# KiCad board MelonLORD.kicad_pcb (continued)
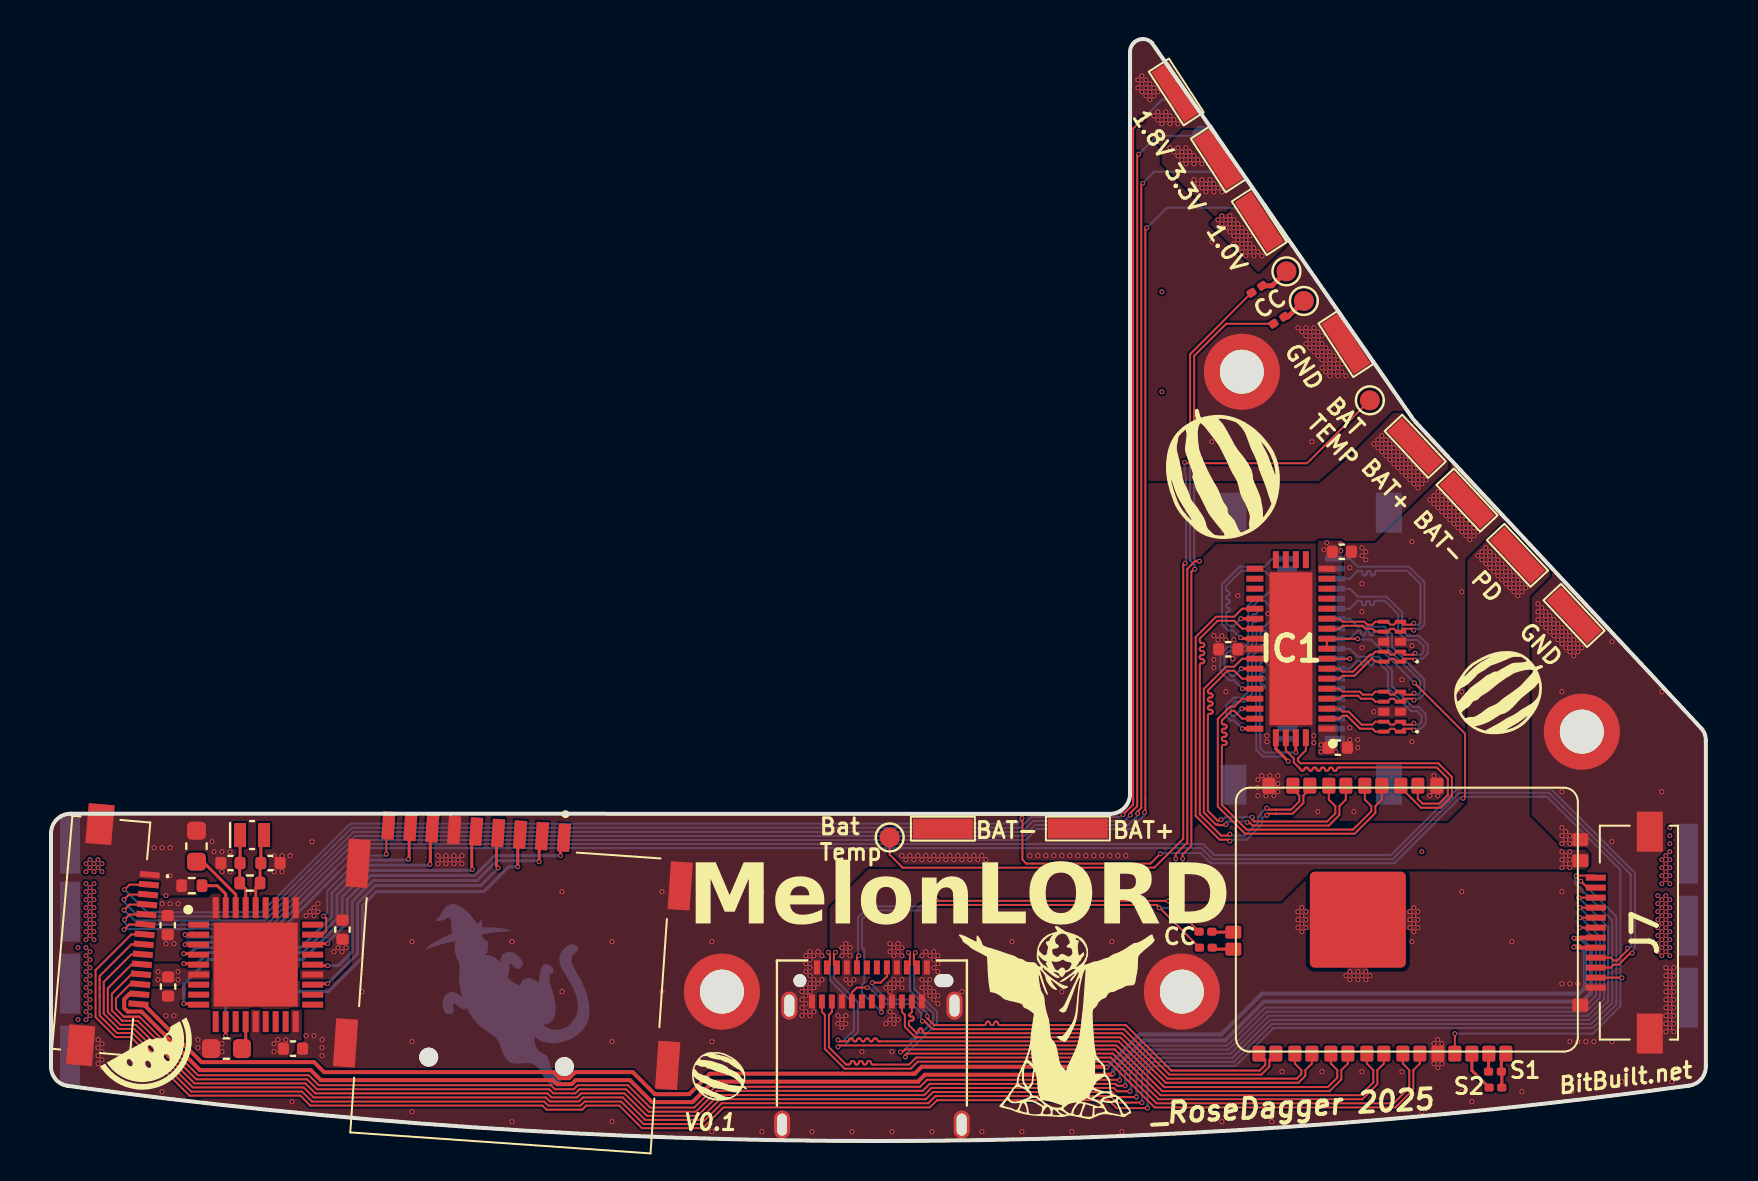
[diagram p0: board, top side]
## Routing (per net, layer and track width the routed paths; a pad name or vN(x,y) marks a point on that pad's centre or on a via; arc(x,y) is an arc through that point) (continued)
VBUS:
  vias: v1(39.35,6.27) v1(39.35,5.87) v1(39.55,9.67) v1(39.55,9.27) v1(39.55,6.07) v1(39.55,5.67) v1(39.75,9.87) v1(39.75,9.47) v1(39.75,8.07) v1(39.75,6.27) v1(39.75,5.87) v1(39.95,9.67) v1(39.95,9.27) v1(39.95,7.87) v1(40.15,8.07) v1(41.75,7.67) v1(41.75,5.87) v1(41.95,9.87) v1(41.95,9.47) v1(41.95,7.87) v1(41.95,7.47) v1(41.95,6.47) v1(41.95,6.07) v1(42.15,9.67) v1(42.15,9.27) v1(42.15,8.07) v1(42.15,7.67) v1(42.15,6.27) v1(42.15,5.87) v1(42.35,9.87) v1(42.35,9.47) v1(42.35,7.87) v1(42.35,6.07) v1(42.55,9.67) v1(42.55,9.27) v1(42.55,8.07) v1(42.55,7.67) v1(71.35,29.27) v1(71.55,29.47) v1(71.55,29.07) v1(71.75,29.67) v1(71.75,29.27) v1(71.75,28.87) v1(71.95,29.47) v1(71.95,29.07) v1(71.95,28.67) v1(72.15,29.27) v1(72.15,28.87) v1(72.15,28.47) v1(72.35,29.07) v1(72.35,28.67) v1(72.35,28.27) v1(72.55,28.87) v1(72.55,28.47) v1(72.55,28.07) v1(72.75,28.67) v1(72.75,28.27) v1(72.75,27.87) v1(72.95,28.47) v1(72.95,28.07) v1(72.95,27.67) v1(73.15,28.27) v1(73.15,27.87) v1(73.15,27.47) v1(73.35,28.07) v1(73.35,27.67) v1(73.35,27.27) v1(73.55,27.87) v1(73.55,27.47) v1(73.75,27.67) v1(75.55,14.47) v1(75.55,14.07) v1(75.55,13.67) v1(75.75,14.27) v1(75.75,13.87) v1(75.95,14.47) v1(75.95,14.07) v1(75.95,13.67)
+BATT:
  vias: v1(48.95,14.27) v1(49.35,14.27) v1(49.75,14.27) v1(50.15,14.27) v1(50.55,14.27) v1(50.95,14.27) v1(51.35,14.27) v1(51.75,14.27) v1(52.15,14.27) v1(52.55,14.27) v1(52.95,14.27) v1(53.35,14.27) v1(53.75,14.27) v1(66.15,34.87) v1(66.35,35.07) v1(66.35,34.67) v1(66.55,35.27) v1(66.55,34.87) v1(66.55,34.47) v1(66.75,35.07) v1(66.75,34.67) v1(66.75,34.27) v1(66.95,34.87) v1(66.95,34.87) v1(66.95,34.47) v1(66.95,34.07) v1(67.15,34.67) v1(67.15,34.27) v1(67.15,33.87) v1(67.35,34.47) v1(67.35,34.07) v1(67.35,33.67) v1(67.55,34.27) v1(67.55,33.87) v1(67.55,33.47) v1(67.75,34.07) v1(67.75,33.67) v1(67.75,33.27) v1(67.95,33.87) v1(67.95,33.47) v1(67.95,33.07) v1(68.15,33.67) v1(68.15,33.27) v1(68.15,32.87) v1(68.35,33.47) v1(68.35,33.07) v1(68.35,32.67) v1(68.55,33.27) v1(68.55,32.87) v1(68.75,33.07)
AUXDP+: length 24.3
  Top w0.102: v1(43.82,6.24) 43.82,6.14 44.17,5.8 46.67,5.8 arc(46.73,5.82) 46.75,5.88 46.75,5.89 arc(46.78,5.95) 46.83,5.97 46.87,5.97 arc(46.93,5.95) 46.95,5.89 46.95,5.88 arc(46.98,5.82) 47.04,5.8 47.08,5.8 arc(47.13,5.82) 47.16,5.88 47.16,5.89 arc(47.18,5.95) 47.24,5.97 47.28,5.97 arc(47.34,5.95) 47.36,5.89 47.36,5.88 arc(47.38,5.82) 47.44,5.8 53.75,5.8 56.02,3.53 60.44,3.53 60.72,3.81 60.72,4.07 60.4,4.39 U1.15 ; J1.A8 41.8,8.23 41.49,7.92 v1(41.07,7.92)
  Bottom w0.102: v1(41.07,7.92) 41.07,7.81 41.81,7.07 43.12,7.07 43.82,6.37 v1(43.82,6.24)
AUXDP-: length 24.5
  Top w0.102: U1.16 61.25,4.39 60.93,4.07 60.93,3.72 60.53,3.32 55.92,3.32 53.65,5.59 44.08,5.59 43.68,6 v1(43.58,6) ; v1(40.82,7.67) 40.29,7.67 40.05,7.43 J1.B8
  Bottom w0.102: v1(40.82,7.67) 40.92,7.67 41.73,6.87 43.04,6.87 43.5,6.4 43.5,6.07 v1(43.58,6)
BatTemp: length 45.9
  Top w0.102: TP15.1 41.94,14.32 42.59,13.67 55.17,13.67 56.62,15.12 56.62,28.8 v1(56.71,28.89) ; TP14.1 62.8,33.89 56.72,33.89 v1(56.68,33.94)
  Bottom w0.102: v1(56.68,33.94) 56.68,33.36 56.76,33.28 56.76,28.93 v1(56.71,28.89)
C_IN: length 89.6
  Top w0.102: J5.10 4.04,8.84 2.84,7.64 2.84,6.44 3.48,5.81 4.25,5.81 7.18,2.88 12.72,2.88 13.22,2.38 24.83,2.38 25.03,2.18 26.31,2.18 26.51,2.38 28.68,2.38 29.8,1.26 32.34,1.26 33.37,2.3 43.67,2.3 44.02,2.65 53.14,2.65 53.31,2.49 v1(53.95,2.49) ; v1(76.45,11.67) J7.9
  Bottom w0.102: v1(53.95,2.49) 53.95,2.61 53.99,2.65 53.99,2.88 53.95,2.92 53.95,3.44 54.88,4.37 58.98,4.37 60.88,6.26 76.84,6.26 77.65,7.07 77.65,7.09 77.66,7.1 77.66,7.12 77.66,7.12 77.66,7.26 77.66,7.26 77.66,10.46 v1(76.45,11.67)
CC1: length 54.2
  Top w0.102: J1.A5 40.3,9.18 v1(40.39,9.27) ; 55.29,11.81 R1.2 ; 55.29,11.81 43.92,11.81 v1(43.85,11.73) ; 55.29,11.81 55.41,11.69 v1(55.41,11.66) ; v1(57.2,28.59) 57.15,28.59 57.02,28.47 57.02,14.76 56.59,14.33 v1(56.59,14.12) ; R7.2 56.96,39.35 56.96,34.2 v1(56.98,34.17)
  Bottom w0.102: v1(40.39,9.27) 40.39,9.29 40.35,9.33 40.35,11.17 40.91,11.73 v1(43.85,11.73) ; v1(57.2,28.59) 57.2,28.79 56.96,29.03 56.96,34.15 v1(56.98,34.17) ; v1(56.59,14.12) 56.59,12.34 55.91,11.66 v1(55.41,11.66)
CC2: length 56.9
  Top w0.102: v1(57.33,34.23) 57.16,34.4 57.16,39.26 58.77,40.87 R8.2 ; v1(57.42,29) 57.21,29 56.82,28.61 56.82,14.93 56.24,14.35 v1(56.24,14.12) ; J1.B5 41.53,6.96 v1(41.53,6.44) ; R2.2 v1(55.87,12.01) 44.32,12.01 v1(44.25,12.08)
  Bottom w0.102: v1(41.53,6.44) 40.54,7.43 40.54,7.79 40.67,7.92 40.67,9.55 40.55,9.67 40.55,11.09 41,11.53 43.65,11.53 43.72,11.45 43.97,11.45 44.25,11.74 v1(44.25,12.08) ; v1(57.33,34.23) 57.33,34.15 57.26,34.08 57.26,34.06 57.16,33.96 57.16,29.12 57.29,29 v1(57.42,29) ; v1(56.24,14.12) 56.24,14.12 56.24,12.38 v1(55.87,12.01)
D0+: length 12.2
  Top w0.102: IC1.4 64.44,22.12 64.59,22.27 65.36,22.27 65.51,22.12 66.08,22.12 66.23,21.97 D1.7 66.83,21.97 66.98,22.12 67.15,22.12 67.3,21.97 D1.4 67.63,22.12 68.09,22.12 v1(68.16,22.04)
  Bottom w0.102: J2.7 64.95,26.12 65.35,25.72 66.67,25.72 67.05,25.34 67.05,24.71 68.68,23.09 68.68,22.36 68.43,22.12 68.24,22.12 v1(68.16,22.04)
D0-: length 12.2
  Top w0.102: IC1.5 64.44,22.62 64.59,22.47 65.45,22.47 65.6,22.32 66.08,22.32 66.23,22.47 D1.6 66.83,22.47 66.98,22.32 67.15,22.32 67.3,22.47 D1.5 67.63,22.32 68.09,22.32 v1(68.16,22.4)
  Bottom w0.102: J2.9 64.95,25.12 65.35,25.52 65.44,25.52 arc(65.49,25.49) 65.52,25.44 65.52,25.36 arc(65.54,25.3) 65.6,25.28 65.64,25.28 arc(65.7,25.3) 65.72,25.36 65.72,25.44 arc(65.75,25.49) 65.8,25.52 65.84,25.52 arc(65.9,25.49) 65.92,25.44 65.92,25.36 arc(65.95,25.3) 66.01,25.28 66.05,25.28 arc(66.1,25.3) 66.13,25.36 66.13,25.44 arc(66.15,25.49) 66.21,25.52 66.59,25.52 66.85,25.26 66.85,24.63 68.47,23 68.47,22.45 68.35,22.32 68.24,22.32 v1(68.16,22.4)
D0A+: length 8.6
  Top w0.152: IC1.38 v1(59.58,20.62)
  Bottom w0.102: J3.13 61.07,26.12 60.68,25.72 60.51,25.72 60.28,25.5 60.28,24.76 59.86,24.34 59.86,22.45 59.59,22.18 59.16,22.18 58.77,21.79 58.77,21.25 59,21.03 59.16,21.03 v1(59.58,20.62)
D0A-: length 8.6
  Top w0.152: IC1.36 v1(59.55,21.62)
  Bottom w0.102: J3.11 61.07,25.12 60.68,25.52 60.59,25.52 60.59,25.52 60.48,25.41 60.48,25.09 arc(60.51,25.03) 60.57,25.01 60.82,25.01 arc(60.87,24.98) 60.9,24.93 60.9,24.89 arc(60.87,24.83) 60.82,24.81 60.57,24.81 arc(60.51,24.78) 60.48,24.72 60.48,24.67 60.06,24.25 60.06,22.36 59.67,21.97 59.24,21.97 58.98,21.71 58.98,21.34 59.08,21.24 59.17,21.24 v1(59.55,21.62)
D0B+: length 16.9
  Top w0.102: IC1.37 59.56,21.12 59.16,21.52 59.04,21.52 58.55,21.03 58.55,20.91 arc(58.58,20.85) 58.63,20.82 58.71,20.82 arc(58.77,20.8) 58.79,20.74 58.79,20.7 arc(58.77,20.64) 58.71,20.62 58.63,20.62 arc(58.58,20.6) 58.55,20.54 58.55,20.5 arc(58.58,20.44) 58.63,20.42 58.71,20.42 arc(58.77,20.39) 58.79,20.34 58.79,20.3 arc(58.77,20.24) 58.71,20.21 58.63,20.21 arc(58.58,20.19) 58.55,20.13 58.55,20.09 arc(58.58,20.04) 58.63,20.01 58.71,20.01 arc(58.77,19.99) 58.79,19.93 58.79,19.89 arc(58.77,19.83) 58.71,19.81 58.63,19.81 arc(58.58,19.78) 58.55,19.73 58.55,16.81 59.79,15.57 65.11,15.57 66.02,16.49 66.02,16.75 65.7,17.07 U1.7
D0B-: length 16.9
  Top w0.102: IC1.35 59.56,22.12 59.16,21.72 58.96,21.72 58.35,21.11 58.35,16.73 59.71,15.37 65.19,15.37 66.23,16.4 66.23,16.75 66.55,17.07 U1.6
D1+: length 12.7
  Top w0.102: IC1.6 64.44,23.12 64.59,23.27 65.19,23.27 66.04,24.12 66.08,24.12 66.23,23.97 D2.10 66.83,23.97 66.98,24.12 67.15,24.12 67.3,23.97 D2.1 67.63,24.12 68.14,24.12 v1(68.21,24.04)
  Bottom w0.102: J2.4 64.95,27.62 65.35,27.22 66.78,27.22 67.57,26.43 67.57,25.53 67.84,25.26 68.41,25.26 68.84,24.83 68.84,24.37 68.59,24.12 68.28,24.12 v1(68.21,24.04)
D1-: length 12.7
  Top w0.102: IC1.7 64.44,23.62 64.59,23.47 65.11,23.47 65.96,24.32 66.08,24.32 66.23,24.47 D2.9 66.83,24.47 66.98,24.32 67.15,24.32 67.3,24.47 D2.2 67.63,24.32 68.14,24.32 v1(68.21,24.4)
  Bottom w0.102: v1(68.21,24.4) 68.28,24.32 68.51,24.32 68.64,24.45 68.64,24.75 68.33,25.06 67.76,25.06 67.37,25.45 67.37,26.35 66.7,27.02 66.25,27.02 arc(66.19,26.99) 66.17,26.94 66.17,26.86 arc(66.14,26.8) 66.09,26.78 66.05,26.78 arc(65.99,26.8) 65.96,26.86 65.96,26.94 arc(65.94,26.99) 65.88,27.02 65.84,27.02 arc(65.79,26.99) 65.76,26.94 65.76,26.86 arc(65.74,26.8) 65.68,26.78 65.64,26.78 arc(65.58,26.8) 65.56,26.86 65.56,26.94 arc(65.53,26.99) 65.48,27.02 65.35,27.02 64.95,26.62 J2.6
D1A+: length 8.8
  Top w0.152: IC1.34 v1(59.58,22.62)
  Bottom w0.102: v1(59.58,22.62) 59.15,23.04 58.9,23.04 58.47,23.47 58.47,24.34 58.85,24.72 59.67,24.72 59.87,24.93 59.87,26.79 60.31,27.22 60.68,27.22 61.07,27.62 J3.16
D1A-: length 8.7
  Top w0.152: IC1.32 v1(59.52,23.62)
  Bottom w0.102: J3.14 61.07,26.62 60.68,27.02 60.39,27.02 60.08,26.7 60.08,26.64 arc(60.1,26.59) 60.16,26.56 60.25,26.56 arc(60.31,26.54) 60.33,26.48 60.33,26.44 arc(60.31,26.38) 60.25,26.36 60.16,26.36 arc(60.1,26.33) 60.08,26.28 60.08,26.24 arc(60.1,26.18) 60.16,26.15 60.25,26.15 arc(60.31,26.13) 60.33,26.07 60.33,26.03 arc(60.31,25.98) 60.25,25.95 60.16,25.95 arc(60.1,25.93) 60.08,25.87 60.08,24.84 59.75,24.52 58.95,24.52 58.68,24.25 58.68,23.62 59.05,23.25 59.15,23.25 v1(59.52,23.62)
D1B+: length 18.3
  Top w0.102: v1(58.51,16.07) 58.46,16.03 58.34,16.03 57.85,16.51 57.85,21.29 arc(57.88,21.34) 57.93,21.37 58.01,21.37 arc(58.07,21.39) 58.09,21.45 58.09,21.49 arc(58.07,21.55) 58.01,21.57 57.93,21.57 arc(57.88,21.59) 57.85,21.65 57.85,21.69 arc(57.88,21.75) 57.93,21.77 58.01,21.77 arc(58.07,21.8) 58.09,21.85 58.09,21.9 arc(58.07,21.95) 58.01,21.98 57.93,21.98 arc(57.88,22) 57.85,22.06 57.85,22.1 arc(57.88,22.16) 57.93,22.18 58.01,22.18 arc(58.07,22.2) 58.09,22.26 58.09,22.3 arc(58.07,22.36) 58.01,22.38 57.93,22.38 arc(57.88,22.41) 57.85,22.46 57.85,22.53 58.84,23.52 59.16,23.52 59.56,23.12 IC1.33 ; U1.9 63.9,17.07 64.22,16.75 64.22,16.39 63.81,15.98 60.17,15.98 60.07,16.08 v1(60.07,16.19)
  Bottom w0.102: v1(60.07,16.19) 59.96,16.19 59.93,16.22 59.7,16.22 59.67,16.19 58.72,16.19 58.61,16.07 v1(58.51,16.07)
D1B-: length 18.3
  Top w0.102: U1.8 64.75,17.07 64.43,16.75 64.43,16.3 63.9,15.77 60.09,15.77 59.92,15.94 v1(59.82,15.94) ; v1(58.75,15.83) 58.65,15.83 58.62,15.8 58.39,15.8 58.36,15.83 58.25,15.83 57.65,16.43 57.65,22.61 58.76,23.72 59.16,23.72 59.56,24.12 IC1.31
  Bottom w0.102: v1(59.82,15.94) 59.77,15.98 58.81,15.98 58.75,15.93 v1(58.75,15.83)
D2+: length 12.5
  Top w0.102: IC1.11 64.44,25.62 64.59,25.77 65.59,25.77 65.74,25.62 66.08,25.62 66.23,25.47 D2.7 66.83,25.47 66.98,25.62 67.15,25.62 67.3,25.47 D2.4 67.63,25.62 68.07,25.62 v1(68.15,25.54)
  Bottom w0.102: J2.1 64.95,29.12 65.35,28.72 67.9,28.72 68.68,27.94 68.68,25.83 68.47,25.62 68.22,25.62 v1(68.15,25.54)
D2-: length 12.5
  Top w0.102: v1(68.15,25.9) 68.07,25.82 67.63,25.82 D2.5 67.3,25.97 67.15,25.82 66.98,25.82 66.83,25.97 D2.6 66.23,25.97 66.08,25.82 65.82,25.82 65.67,25.97 64.59,25.97 64.44,26.12 IC1.12
  Bottom w0.102: J2.3 64.95,28.12 65.35,28.52 65.5,28.52 arc(65.56,28.49) 65.59,28.44 65.59,28.36 arc(65.61,28.3) 65.67,28.28 65.71,28.28 arc(65.76,28.3) 65.79,28.36 65.79,28.44 arc(65.81,28.49) 65.87,28.52 65.91,28.52 arc(65.97,28.49) 65.99,28.44 65.99,28.36 arc(66.02,28.3) 66.07,28.28 66.11,28.28 arc(66.17,28.3) 66.19,28.36 66.19,28.44 arc(66.22,28.49) 66.28,28.52 67.82,28.52 68.48,27.86 68.48,25.91 68.39,25.82 68.22,25.82 v1(68.15,25.9)
D2A+: length 7.7
  Top w0.152: v1(59.48,25.18) 59.54,25.13 59.74,25.13 59.75,25.12 IC1.29
  Bottom w0.102: J3.19 61.07,29.12 60.68,28.72 59.44,28.72 58.56,27.84 58.56,25.83 58.86,25.53 59.11,25.53 59.33,25.32 59.33,25.32 59.47,25.18 v1(59.48,25.18)
D2A-: length 7.7
  Top w0.152: IC1.27 v1(59.5,26.12)
  Bottom w0.102: J3.17 61.07,28.12 60.68,28.52 59.52,28.52 58.76,27.76 58.76,27.57 arc(58.79,27.51) 58.85,27.49 58.87,27.49 arc(58.92,27.46) 58.95,27.4 58.95,27.36 arc(58.92,27.31) 58.87,27.28 58.85,27.28 arc(58.79,27.26) 58.76,27.2 58.76,27.16 arc(58.79,27.1) 58.85,27.08 58.87,27.08 arc(58.92,27.06) 58.95,27 58.95,26.96 arc(58.92,26.9) 58.87,26.88 58.85,26.88 arc(58.79,26.85) 58.76,26.79 58.76,26.75 arc(58.79,26.7) 58.85,26.67 58.87,26.67 arc(58.92,26.65) 58.95,26.59 58.95,26.55 arc(58.92,26.49) 58.87,26.47 58.85,26.47 arc(58.79,26.45) 58.76,26.39 58.76,25.92 58.95,25.74 59.12,25.74 v1(59.5,26.12)
D2B+: length 20.3
  Top w0.102: U1.11 62.1,17.59 62.42,17.27 62.42,16.99 62.01,16.57 60.87,16.57 v1(60.8,16.65) ; IC1.28 59.56,25.62 59.16,26.02 58.34,26.02 57.45,25.12 57.45,24.99 arc(57.47,24.93) 57.53,24.91 57.59,24.91 arc(57.65,24.88) 57.67,24.83 57.67,24.79 arc(57.65,24.73) 57.59,24.71 57.53,24.71 arc(57.47,24.68) 57.45,24.62 57.45,24.58 arc(57.47,24.53) 57.53,24.5 57.59,24.5 arc(57.65,24.48) 57.67,24.42 57.67,24.38 arc(57.65,24.32) 57.59,24.3 57.53,24.3 arc(57.47,24.28) 57.45,24.22 57.45,24.18 arc(57.47,24.12) 57.53,24.1 57.59,24.1 arc(57.65,24.07) 57.67,24.01 57.67,23.97 arc(57.65,23.92) 57.59,23.89 57.53,23.89 arc(57.47,23.87) 57.45,23.81 57.45,16.34 58.52,15.27 58.88,15.27 v1(58.95,15.35)
  Bottom w0.102: v1(60.8,16.65) 60.72,16.57 60.68,16.57 60.52,16.41 60.52,16.37 60.35,16.2 60.35,15.91 59.71,15.27 59.02,15.27 v1(58.95,15.35)
D2B-: length 20.3
  Top w0.102: v1(60.8,16.29) 60.87,16.37 62.09,16.37 62.63,16.9 62.63,17.27 62.95,17.59 U1.10 ; v1(58.95,14.99) 58.88,15.07 58.43,15.07 57.24,16.26 57.24,25.21 58.26,26.22 59.16,26.22 59.56,26.62 IC1.26
  Bottom w0.102: v1(60.8,16.29) 60.73,16.29 60.55,16.11 60.55,15.83 59.79,15.07 59.02,15.07 v1(58.95,14.99)
D_IN: length 86.3
  Top w0.102: 3.65,6.22 3.25,6.61 3.25,7.13 3.96,7.84 J5.12 ; 3.65,6.22 4.42,6.22 ; 3.65,6.22 4.42,6.22 ; v1(76.45,10.67) J7.7 ; 4.42,6.22 7.35,3.29 12.89,3.29 13.39,2.79 25,2.79 25.2,2.59 26.14,2.59 26.34,2.79 28.85,2.79 29.97,1.67 32.17,1.67 33.21,2.71 43.46,2.71 43.81,3.06 53.42,3.06 v1(53.44,3.04)
  Bottom w0.102: v1(53.44,3.04) 53.44,3.5 54.71,4.77 58.81,4.77 60.71,6.67 76.65,6.67 77.25,7.27 77.25,7.29 77.25,7.29 77.25,7.43 77.26,7.43 77.26,10.06 76.65,10.67 v1(76.45,10.67)
DCLK+: length 12.5
  Top w0.102: v1(68.15,20.54) 68.08,20.62 67.63,20.62 D1.1 67.3,20.47 67.15,20.62 66.98,20.62 66.83,20.47 D1.10 66.23,20.47 66.08,20.62 65.46,20.62 64.81,21.27 64.59,21.27 64.44,21.12 IC1.2
  Bottom w0.102: J2.10 64.95,24.62 65.35,24.22 66.39,24.22 67.06,23.55 67.06,22.74 68.11,21.7 68.4,21.7 68.74,21.35 68.74,20.87 68.49,20.62 68.23,20.62 v1(68.15,20.54)
DCLK-: length 12.5
  Top w0.102: v1(68.15,20.9) 68.08,20.82 67.63,20.82 D1.2 67.3,20.97 67.15,20.82 66.98,20.82 66.83,20.97 D1.9 66.23,20.97 66.08,20.82 65.54,20.82 64.89,21.47 64.59,21.47 64.44,21.62 IC1.3
  Bottom w0.102: v1(68.15,20.9) 68.23,20.82 68.41,20.82 68.54,20.95 68.54,21.27 68.31,21.49 68.02,21.49 66.86,22.66 66.86,23.47 66.31,24.02 66.2,24.02 arc(66.14,23.99) 66.12,23.94 66.12,23.86 arc(66.1,23.8) 66.04,23.78 66,23.78 arc(65.94,23.8) 65.92,23.86 65.92,23.94 arc(65.89,23.99) 65.84,24.02 65.8,24.02 arc(65.74,23.99) 65.71,23.94 65.71,23.86 arc(65.69,23.8) 65.63,23.78 65.59,23.78 arc(65.54,23.8) 65.51,23.86 65.51,23.94 arc(65.49,23.99) 65.43,24.02 65.35,24.02 64.95,23.62 J2.12
DCLKA+: length 9.4
  Top w0.152: v1(62.25,19.43) 62.25,19.43 IC1.41
  Bottom w0.102: J3.8 61.07,23.62 60.68,24.02 60.62,24.02 60.47,23.87 60.47,23.72 arc(60.49,23.67) 60.55,23.64 60.61,23.64 arc(60.67,23.62) 60.7,23.56 60.7,23.52 arc(60.67,23.46) 60.61,23.44 60.55,23.44 arc(60.49,23.41) 60.47,23.36 60.47,23.32 arc(60.49,23.26) 60.55,23.23 60.61,23.23 arc(60.67,23.21) 60.7,23.15 60.7,23.11 arc(60.67,23.06) 60.61,23.03 60.55,23.03 arc(60.49,23.01) 60.47,22.95 60.47,22.91 arc(60.49,22.85) 60.55,22.83 60.61,22.83 arc(60.67,22.8) 60.7,22.75 60.7,22.71 arc(60.67,22.65) 60.61,22.63 60.55,22.63 arc(60.49,22.6) 60.47,22.54 60.47,20.13 60.47,20.13 60.47,19.64 60.68,19.43 61.72,19.43 61.72,19.43 v1(62.25,19.43)
DCLKA-: length 9.5
  Top w0.152: IC1.39 61.25,19.61 v1(61.87,18.99)
  Bottom w0.102: J3.10 61.07,24.62 60.68,24.22 60.53,24.22 60.27,23.96 60.27,19.55 60.6,19.22 61.64,19.22 v1(61.87,18.99)
DCLKB+: length 13.5
  Top w0.102: IC1.42 62.75,19.53 62.35,19.13 62.35,19.01 62.47,18.89 69.37,18.89 70.05,18.21 70.05,17.23 69.49,16.67 68.5,16.67 U1.5
DCLKB-: length 13.5
  Top w0.102: U1.4 68.35,17.11 68.59,16.87 69.41,16.87 69.85,17.31 69.85,18.13 69.3,18.68 64.39,18.68 arc(64.33,18.66) 64.31,18.6 arc(64.28,18.54) 64.23,18.52 64.18,18.52 arc(64.13,18.54) 64.1,18.6 arc(64.08,18.66) 64.02,18.68 63.98,18.68 arc(63.92,18.66) 63.9,18.6 arc(63.88,18.54) 63.82,18.52 63.78,18.52 arc(63.72,18.54) 63.7,18.6 arc(63.67,18.66) 63.62,18.68 63.57,18.68 arc(63.52,18.66) 63.49,18.6 arc(63.47,18.54) 63.41,18.52 63.37,18.52 arc(63.31,18.54) 63.29,18.6 arc(63.27,18.66) 63.21,18.68 63.17,18.68 arc(63.11,18.66) 63.09,18.6 arc(63.06,18.54) 63.01,18.52 62.97,18.52 arc(62.91,18.54) 62.88,18.6 arc(62.86,18.66) 62.8,18.68 62.76,18.68 arc(62.7,18.66) 62.68,18.6 arc(62.66,18.54) 62.6,18.52 62.56,18.52 arc(62.5,18.54) 62.48,18.6 arc(62.45,18.66) 62.4,18.68 62.15,18.93 62.15,19.13 61.75,19.53 IC1.40
HPD: length 115.5
  Top w0.102: J5.2 3.93,12.82 v1(3.67,12.57) ; v1(70.2,5.37) U1.26 70.21,4.46 ; J7.2 78.54,8.17 v1(78.55,8.16) ; v1(55.48,14.37) 54.98,13.87 48.77,13.87 48.58,14.07 48.58,16.11 v1(48.55,16.14) ; v1(70.61,17.14) 70.71,17.25 70.71,20.37 v1(68.18,22.9) ; IC1.9 IC1.10 65.33,25.12 v1(65.34,25.12)
  Bottom w0.102: v1(70.2,5.37) 77.11,5.37 78.47,6.73 78.47,6.75 78.48,6.76 78.48,6.78 78.48,6.79 78.48,6.92 78.48,6.93 78.48,8.09 v1(78.55,8.16) 78.48,8.23 78.48,13.55 74.82,17.21 ; 74.4,17.21 74.46,17.21 ; 74.4,17.21 74.78,17.21 ; 74.4,17.21 70.68,17.21 v1(70.61,17.14) 70.58,17.17 70.46,17.17 67.18,13.89 58,13.89 57.49,14.4 55.51,14.4 v1(55.48,14.37) ; 74.46,17.21 74.52,17.21 ; 74.46,17.21 74.82,17.21 ; 74.82,17.21 74.52,17.21 ; 74.52,17.21 74.62,17.21 ; v1(68.18,22.9) 66.01,25.07 65.38,25.07 v1(65.34,25.12) ; v1(3.67,12.57) 4.81,11.44 10.53,11.44 14.97,15.87 48.33,15.87 48.55,16.1 v1(48.55,16.14)
M_IN: length 91.8
  Top w0.102: v1(54.28,2.2) 53.31,2.2 53.06,2.45 44.11,2.45 43.75,2.09 33.45,2.09 32.42,1.06 29.71,1.06 28.59,2.18 26.6,2.18 26.39,1.98 24.95,1.98 24.75,2.18 13.13,2.18 12.64,2.68 7.09,2.68 4.17,5.6 3.39,5.6 2.64,6.36 2.64,7.95 4.02,9.33 J5.9 ; v1(76.4,12.17) J7.10
  Bottom w0.102: v1(76.4,12.17) 77.87,10.7 77.87,7.18 77.87,7.18 77.87,7.04 77.86,7.04 77.86,7.02 77.85,7.01 77.85,6.99 76.93,6.06 60.96,6.06 59.07,4.16 54.97,4.16 54.28,3.47 v1(54.28,2.2)
MX11: length 89.6
  Top w0.102: v1(54.69,16.43) 54.72,16.47 54.72,45.6 v1(54.8,45.67) ; J5.6 3.91,10.83 v1(3.65,10.57)
  Bottom w0.102: v1(54.69,16.43) 54.69,16.31 53.98,15.6 49.29,15.6 48.75,15.05 15.3,15.05 10.87,10.62 7.12,10.62 7.1,10.59 7.1,10.6 3.68,10.6 v1(3.65,10.57) ; v1(54.8,45.67) 55.8,46.67 TP25.1
MX12: length 90.4
  Top w0.102: v1(3.67,11.07) 3.93,11.33 J5.5 ; v1(54.59,47.89) 54.52,47.82 54.52,16.66 54.34,16.48 v1(54.34,16.38)
  Bottom w0.102: TP24.1 55.17,48.47 v1(54.59,47.89) ; v1(3.67,11.07) 3.67,10.94 3.81,10.8 4.52,10.8 4.55,10.82 10.79,10.82 15.22,15.26 48.66,15.26 49.21,15.8 53.87,15.8 54.34,16.27 v1(54.34,16.38)
MX13: length 90.8
  Top w0.102: J5.4 3.93,11.82 v1(3.65,11.55) ; v1(54.39,49.34) 54.32,49.27 54.32,16.74 53.97,16.4 v1(53.97,16.3)
  Bottom w0.102: TP26.1 55.31,50.27 v1(54.39,49.34) ; v1(3.65,11.55) 4.17,11.03 10.7,11.03 15.13,15.46 48.57,15.46 49.11,16 53.68,16 v1(53.97,16.3)
MX14: length 91.1
  Top w0.102: v1(54.55,51.07) 54.11,50.63 54.11,16.83 v1(53.61,16.32) ; v1(3.65,12.07) 3.9,12.32 J5.3
  Bottom w0.102: v1(54.55,51.07) 55.55,52.07 TP31.1 ; v1(3.65,12.07) 3.65,11.94 4.36,11.23 10.62,11.23 15.05,15.67 48.47,15.67 49.02,16.21 49.27,16.21 53.49,16.21 v1(53.61,16.32)
RX1+: length 35.8
  Top w0.102: J1.B11 38.55,6.45 38.7,6.31 38.7,4.6 39.68,3.62 42.99,3.62 43.34,3.97 52.9,3.97 55.19,1.68 67.22,1.68 68.13,2.58 68.13,3.55 68.45,3.87 U1.24
RX1-: length 35.8
  Top w0.102: U1.23 67.6,3.87 67.92,3.55 67.92,2.67 67.14,1.88 55.29,1.88 53,4.17 43.26,4.17 42.91,3.82 41.08,3.82 arc(41.03,3.85) 41,3.9 41,3.92 arc(40.98,3.98) 40.92,4 40.88,4 arc(40.82,3.98) 40.8,3.92 40.8,3.9 arc(40.78,3.85) 40.72,3.82 40.68,3.82 arc(40.62,3.85) 40.6,3.9 40.6,3.92 arc(40.57,3.98) 40.52,4 40.47,4 arc(40.42,3.98) 40.39,3.92 40.39,3.9 arc(40.37,3.85) 40.31,3.82 40.27,3.82 arc(40.21,3.85) 40.19,3.9 40.19,3.92 arc(40.17,3.98) 40.11,4 40.07,4 arc(40.01,3.98) 39.99,3.92 39.99,3.9 arc(39.96,3.85) 39.91,3.82 39.77,3.82 38.9,4.69 38.9,6.31 39.05,6.45 J1.B10
RX2+: length 34
  Top w0.102: J1.A11 43.15,8.83 43.15,9.35 v1(43.23,9.43) ; U1.22 66.65,3.87 66.33,3.55 66.33,2.84 65.57,2.09 55.38,2.09 53.1,4.37 42.79,4.37 42.72,4.31 v1(42.72,4.2)
  Bottom w0.102: v1(42.72,4.2) 42.72,4.31 44.3,5.89 44.3,6.47 43.15,7.62 43.15,9.35 v1(43.23,9.43)
RX2-: length 34
  Top w0.102: J1.A10 42.95,8.83 42.95,9.35 v1(42.87,9.43) ; v1(42.48,4.45) 42.58,4.45 42.71,4.58 53.19,4.58 55.48,2.29 65.49,2.29 66.12,2.93 66.12,3.55 65.8,3.87 U1.21
  Bottom w0.102: v1(42.48,4.45) 42.58,4.45 42.99,4.86 arc(43.02,4.92) 42.99,4.97 arc(42.97,5.02) 42.99,5.07 43.03,5.11 arc(43.08,5.13) 43.14,5.11 arc(43.19,5.09) 43.24,5.11 43.28,5.15 arc(43.3,5.2) 43.28,5.26 arc(43.26,5.31) 43.28,5.36 43.32,5.4 arc(43.37,5.42) 43.42,5.4 arc(43.48,5.38) 43.53,5.4 44.1,5.97 44.1,6.38 42.95,7.53 42.95,9.35 v1(42.87,9.43)
SCL: length 95.8
  Top w0.102: J7.11 76.83,12.67 v1(76.5,13) ; J5.7 4.01,10.33 2.23,8.55 2.23,6.19 3.22,5.2 4,5.2 6.92,2.27 12.47,2.27 12.96,1.77 24.58,1.77 24.78,1.57 26.56,1.57 26.77,1.77 28.42,1.77 29.55,0.64 32.58,0.64 33.63,1.68 43.95,1.68 44.31,2.04 52.89,2.04 53.29,1.64 v1(54.83,1.64)
  Bottom w0.102: v1(76.5,13) 78.28,11.22 78.28,7.01 78.27,7.01 78.27,6.87 78.27,6.87 78.27,6.85 78.26,6.84 78.26,6.82 77.1,5.65 61.13,5.65 59.24,3.75 55.14,3.75 54.83,3.45 54.83,2.04 54.83,2.04 54.83,1.81 54.83,1.8 v1(54.83,1.64)
SD_CD: length 8.1
  Top w0.102: IC2.26 13.59,10.32 13.76,10.5 13.76,11.14 13.66,11.25 v1(13.62,11.25) ; v1(16.77,14.35) 16.77,14.35 16.77,15.68 J4.9
  Bottom w0.102: v1(16.77,14.35) 16.7,14.27 15.59,14.27 13.82,12.5 13.82,11.44 v1(13.62,11.25)
SD_CLK: length 21.2
  Top w0.152: J4.5 21.04,15.26 21.04,13.62 v1(21.08,13.59) ; IC2.9 7.34,6.87 v1(6.64,6.87)
  Bottom w0.152: v1(6.64,6.87) 6.64,7.84 7.87,9.07 12.61,9.07 14.56,11.02 14.56,12.2 15.89,13.53 20.45,13.53 20.46,13.54 21.03,13.54 v1(21.08,13.59)
SD_CMD: length 23
  Top w0.152: v1(8.74,5.27) IC2.11 ; J4.3 23.34,15.21 v1(23.34,13.71)
  Bottom w0.152: v1(8.74,5.27) 8.74,6.97 9.24,7.47 13.86,7.47 15.58,9.18 15.58,11.77 16.27,12.47 21.65,12.47 22.89,13.71 v1(23.34,13.71)
SD_D0: length 17.7
  Top w0.152: IC2.5 7.34,8.87 v1(6.64,8.87) ; J4.7 18.97,15.53 18.97,13.89 18.95,13.87 v1(18.95,13.84)
  Bottom w0.152: v1(6.64,8.87) 7.3,8.87 7.85,9.41 12.59,9.41 14.3,11.13 14.3,12.3 15.79,13.79 18.9,13.79 v1(18.95,13.84)
SD_DAT1: length 16.3
  Top w0.152: v1(17.87,14.09) 17.91,14.13 17.91,15.65 J4.8 ; IC2.4 7.34,9.37 v1(6.64,9.37)
  Bottom w0.152: v1(6.64,9.37) 6.95,9.37 7.25,9.67 12.48,9.67 14.05,11.23 14.05,12.41 15.68,14.04 17.83,14.04 v1(17.87,14.09)
SD_DAT2: length 15.9
  Top w0.152: J4.1 25.48,15 v1(25.48,14.27) ; v1(13.84,9.87) 13.14,9.87 IC2.25
  Bottom w0.152: v1(13.84,9.87) 13.84,9.94 14.81,10.91 14.81,12.09 16,13.28 20.56,13.28 20.56,13.28 20.95,13.28 20.95,13.28 21.2,13.28 22.19,14.27 v1(25.48,14.27)
SD_DAT3: length 16.4
  Top w0.152: v1(24.41,13.97) 24.41,15.1 J4.2 ; v1(13.84,8.77) 13.14,8.77 IC2.23
  Bottom w0.152: v1(24.41,13.97) 24.36,14.02 22.3,14.02 21.9,13.62 21.31,13.03 20.84,13.03 20.84,13.03 20.67,13.03 20.66,13.02 16.1,13.02 15.07,11.99 15.06,9.46 14.37,8.77 v1(13.84,8.77)
SD_PWR: length 15
  Top w0.152: v1(22.36,13.66) 22.28,13.74 22.28,15.32 J4.4 ; v1(13.84,7.87) 13.14,7.87 IC2.21
  Bottom w0.152: v1(13.84,7.87) 15.32,9.35 15.32,11.88 16.21,12.77 20.77,12.77 20.77,12.77 21.48,12.77 v1(22.36,13.66)
SDA: length 94.7
  Top w0.102: v1(76.27,13.26) 76.28,13.28 77.14,13.28 J7.12 ; v1(54.56,1.92) 53.3,1.92 52.97,2.25 44.23,2.25 43.87,1.89 33.54,1.89 32.5,0.84 29.64,0.84 28.51,1.97 26.68,1.97 26.48,1.77 24.86,1.77 24.66,1.97 13.05,1.97 12.55,2.47 7.01,2.47 4.08,5.4 3.31,5.4 2.43,6.27 2.43,8.25 4.02,9.83 J5.8
  Bottom w0.102: v1(76.27,13.26) 76.22,13.21 76.22,12.88 78.07,11.03 78.07,7.1 78.07,7.09 78.07,6.96 78.07,6.95 78.07,6.93 78.06,6.92 78.06,6.9 77.01,5.85 61.05,5.85 59.15,3.96 55.05,3.96 54.56,3.46 54.56,2.31 54.56,2.31 54.56,2.08 54.56,2.08 v1(54.56,1.92)
SPKL+: length 83.5
  Top w0.2: v1(53.1,3.36) 53.05,3.32 43.7,3.32 43.35,2.97 33.1,2.97 32.08,1.94 30.05,1.94 28.95,3.05 26.24,3.05 26.04,2.84 25.31,2.84 25.1,3.05 13.49,3.05 12.99,3.54 7.45,3.54 4.52,6.47 3.83,6.47 3.66,6.64 3.66,7.09 3.91,7.34 J5.13 ; J7.6 76.5,10.17 76.45,10.12 76.17,10.12 v1(76.15,10.14)
  Bottom w0.2: v1(53.1,3.36) 53.1,3.52 54.61,5.03 58.71,5.03 60.65,6.97 76.57,6.97 77,7.4 77,7.54 77,7.54 77,9.6 77,9.6 77,9.62 76.5,10.12 76.17,10.12 v1(76.15,10.14)
SPKL-: length 80.3
  Top w0.2: v1(52.79,3.69) 52.76,3.71 43.54,3.71 43.19,3.37 43.1,3.37 39.58,3.36 39.58,3.37 32.94,3.37 31.92,2.34 31.39,2.34 31.39,2.34 30.2,2.34 29.1,3.44 26.21,3.44 25.91,3.14 25.43,3.14 25.13,3.44 13.66,3.44 13.16,3.94 7.53,3.94 4.63,6.84 J5.14 ; v1(76.15,9.69) 76.17,9.72 76.45,9.72 76.5,9.67 J7.5
  Bottom w0.2: v1(76.15,9.69) 76.17,9.72 76.45,9.72 76.7,9.47 76.7,7.66 76.41,7.37 60.55,7.37 58.51,5.33 54.43,5.33 v1(52.79,3.69)
TX1+: length 34.6
  Top w0.102: J1.A2 38.95,8.83 38.95,9.37 v1(38.87,9.44) ; U1.19 64,3.87 64.32,3.55 64.32,3.17 63.85,2.7 55.67,2.7 53.39,4.98 41.4,4.98 arc(41.34,5.01) 41.32,5.06 arc(41.3,5.11) 41.25,5.13 41.19,5.13 arc(41.14,5.11) 41.12,5.06 arc(41.1,5.01) 41.05,4.98 40.99,4.98 arc(40.94,5.01) 40.92,5.06 arc(40.89,5.11) 40.84,5.13 40.79,5.13 arc(40.73,5.11) 40.71,5.06 arc(40.69,5.01) 40.64,4.98 40.58,4.98 arc(40.53,5.01) 40.51,5.06 arc(40.49,5.11) 40.44,5.13 40.38,5.13 arc(40.33,5.11) 40.31,5.06 arc(40.28,5.01) 40.23,4.98 40.18,4.98 arc(40.13,5.01) 40.1,5.06 arc(40.08,5.11) 40.03,5.13 39.97,5.13 arc(39.92,5.11) 39.9,5.06 arc(39.88,5.01) 39.83,4.98 39.43,4.98 v1(39.36,5.06)
  Bottom w0.102: v1(39.36,5.06) 39.43,4.98 39.59,4.98 40.15,5.54 40.15,6.85 38.95,8.05 38.95,9.37 v1(38.87,9.44)
